# Altium PCB duo_x.PcbDoc (part 1 of 3) (continued)
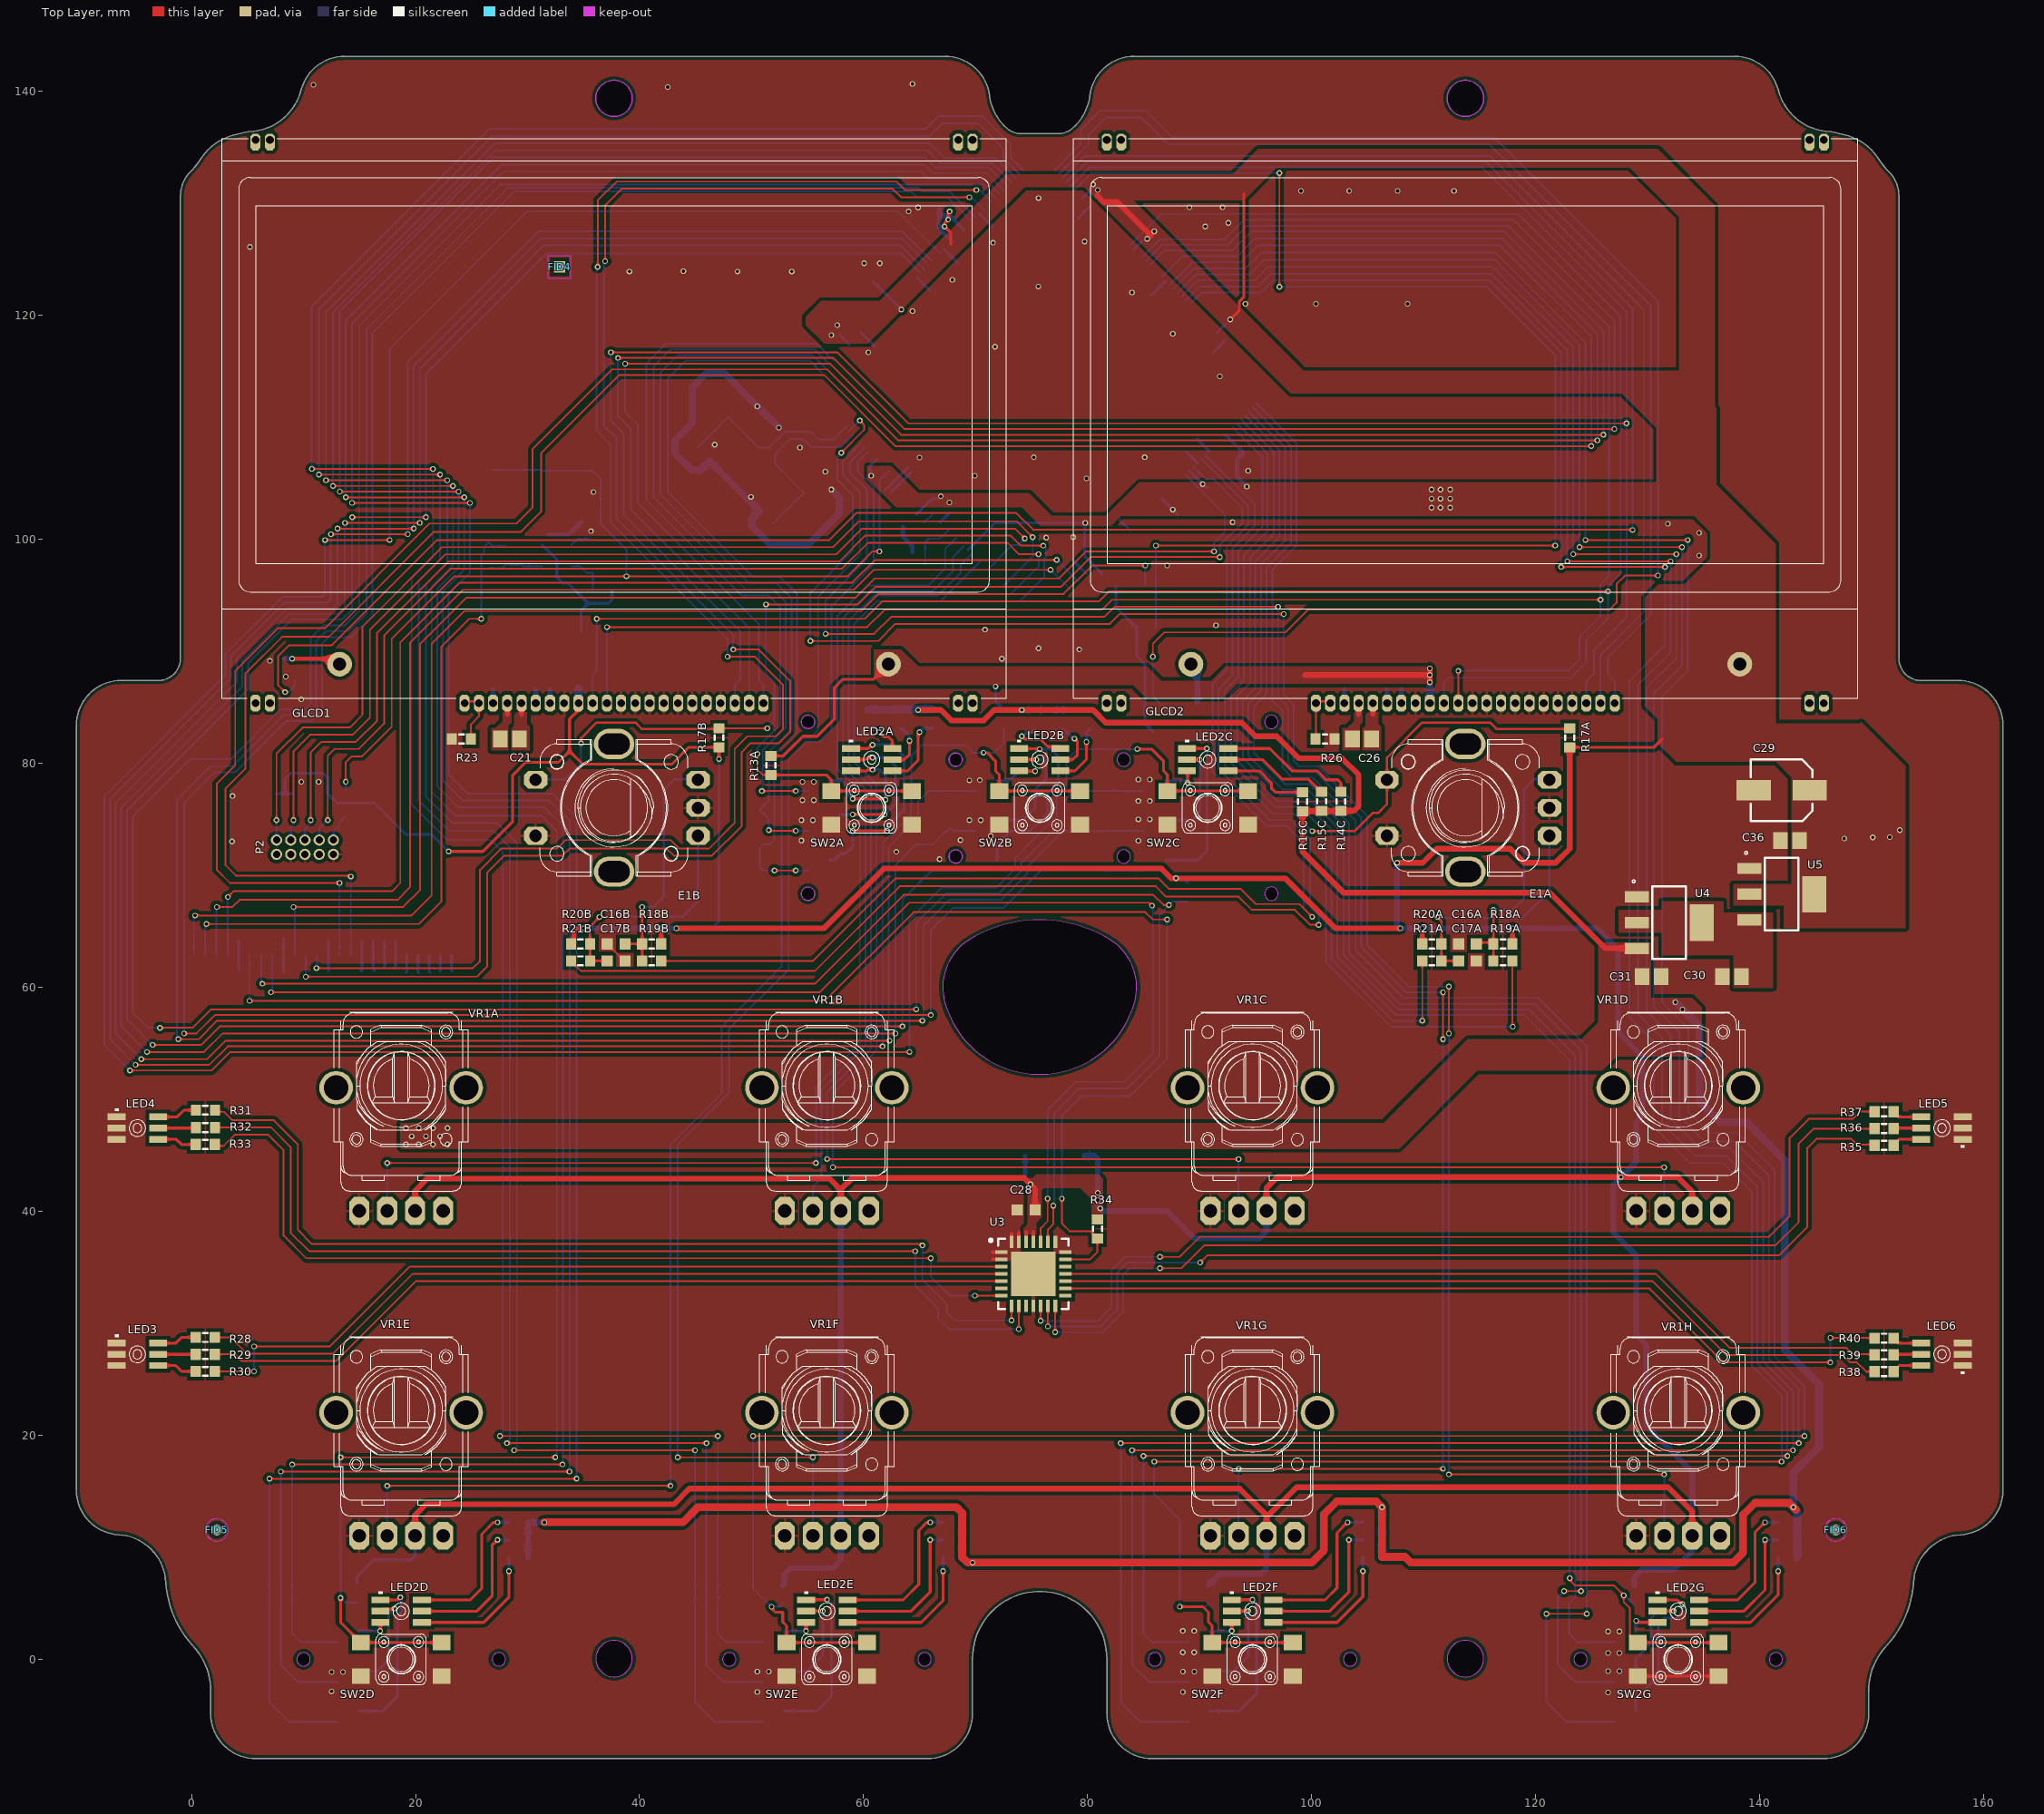
[diagram p0: Top Layer view]
## Footprints (in the part's own frame and the unit in brackets; to place one, negate y for a bottom-side part, rotate by r counter-clockwise, add the part's x,y. Pads: shape width x height; smd on the part's side, far side on the other; paste and mask are expansions set on the pad) (continued)
  rect 1.5x0.6 smd: 1(-0.95,0.95) 2(-0.95,-0.95) 3(0.95,0)
  silkscreen extent -1.07,-1.5 0.7,1.92, body extent -1.25,-1.5 1.25,1.5, height 1.01
SOT23-5N [mm]
  rect 1x0.6 smd: 1(-1.3,0.95) 2(-1.3,0) 3(-1.3,-0.95) 4(1.3,-0.95) 5(1.3,0.95)
  silkscreen extent -1.5,-1.55 0.5,1.92, body extent -1.25,-1.5 1.25,1.5, height 1.06
SOT230P700X180-4N [mm]
  rect 2.15x1 smd: 1(-2.9,2.3) 2(-2.9,0) 3(-2.9,-2.3)
  rect 2.15x3.25 smd: 2(2.9,0)
  silkscreen extent -3.3,-3.25 1.5,3.81
SOT788-1 [mm]
  rect 1.1x0.35 smd paste-0.025: 1(-2.85,1.95) 2(-2.85,1.3) 3(-2.85,0.65) 4(-2.85,0) 5(-2.85,-0.65) 6(-2.85,-1.3) 7(-2.85,-1.95) 15(2.85,-1.95) 16(2.85,-1.3) 17(2.85,-0.65) 18(2.85,0) 19(2.85,0.65) 20(2.85,1.3) 21(2.85,1.95)
  rect 0.35x1.1 smd paste-0.025: 8(-1.95,-2.85) 9(-1.3,-2.85) 10(-0.65,-2.85) 11(0,-2.85) 12(0.65,-2.85) 13(1.3,-2.85) 14(1.95,-2.85) 22(1.95,2.85) 23(1.3,2.85) 24(0.65,2.85) 25(0,2.85) 26(-0.65,2.85) 27(-1.3,2.85) 28(-1.95,2.85)
  rect 4x4 smd paste-1000: 29(0,0)
  silkscreen extent -3.92,-3.15 3.15,3.15, body extent -3.02,-3.02 3.02,3.02, height 0.9
TL3305 [mm]
  rect 1.6x1.4 smd: 1(-3.6,-1.5) 2(3.6,-1.5) 3(-3.6,1.5) 4(3.6,1.5)
  silkscreen extent -2.25,-2.25 2.25,2.25, body extent -3.75,-2.25 3.75,2.25, height 3.8
TL3315 [mm]
  rect 1.1x0.7 smd: 1(-2.225,1.75) 2(2.225,1.75) 3(-2.225,-1.75) 4(2.225,-1.75)
  silkscreen extent -2.16,-1.78 2.16,1.78, body extent -2.37,-2.25 2.38,2.25, height 0.6
? [mm]
  oct 1.8x2.5 hole 1.2: 1(-3.75,0) 1(-3.75,0) 2(-1.25,0) 3(1.25,0) 4(3.75,0)
  round 3 hole 2.2: M(-5.8,11) M(5.8,11)
  silkscreen extent -6,1.79 6,17.79, body extent -7.2,-0.2 7.2,17.6, height 21.37

## Part data
C1 C7 C8 C9 C10 C11 C12 C13 C14 C32 C33 C34 C35: library part GRM155R71H104KE14D, "CAP CER 0.1UF 50V X7R 0402", Capacitance="0.1 uF", Capacitance - nF="100 nF", Capacitance - pF="100000 pF", Case Code - in=0402, Case Code - mm=1005, Dielectric=X7R, Manufacturer 1=Murata, Maximum Operating Temperature="+ 125 C", Minimum Operating Temperature="- 55 C", Package / Case="0402 (1005 metric)", Supplier Part Number 1=490-10700-1-ND, Tolerance="10 %", Voltage Rating DC="50 VDC", Brand="Murata Electronics", Class="Class 2", ComponentLink1Description=http://components.arrow.com/part/dataview/0323_07030614, ComponentLink1URL=http://components.arrow.com/part/dataview/0323_07030614, ComponentLink2Description=http://psearch.en.murata.com/capacitor/product/GRM155R71H104KE14%23.pdf, ComponentLink2URL=http://psearch.en.murata.com/capacitor/product/GRM155R71H104KE14%23.pdf, ComponentLink3Description=http://www.mouser.com/ds/2/281/c02e-2905.pdf, ComponentLink3URL=http://www.mouser.com/ds/2/281/c02e-2905.pdf, ComponentLink4Description=http://search.murata.co.jp/Ceramy/image/img/A01X/partnumbering_e_01.pdf, ComponentLink4URL=http://search.murata.co.jp/Ceramy/image/img/A01X/partnumbering_e_01.pdf, ComponentLink5Description=http://www.farnell.com/datasheets/2079156.pdf, ComponentLink5URL=http://www.farnell.com/datasheets/2079156.pdf, Description 1="Cap Ceramic 0.1uF 50V X7R 10% SMD 0402 125C Paper T/R", Factory Pack Quantity=10000, Height="0.5 mm", Length="1 mm", Manufacturer Part Number 1=GRM155R71H104KE14D, Packaging=Reel, Pricing 1="1=0.1, 10=0.022, 100=0.0099, 500=0.0071, 1000=0.0056, 2500=0.0051, 5000=0.0047 (USD)", Product="General Type MLCCs", Product Category="Multilayer Ceramic Capacitors MLCC - SMD/SMT", RoHS=True, Series=GRM, Stock 1=0, Supplier 1=Digi-Key, Termination Style=SMD/SMT, Type="General Purpose Ceramic Capacitors", Unit Weight="0.000212 oz", Width="0.5 mm"
C2 C3: library part C1608NP01H390J080AA, "CAP CER 39PF 50V NP0 0603", Case/Package=0603, Case Code (Metric)=1608, Dielectric=C0G, Manufacturer 1=TDK, Max Operating Temperature=150°C, Min Operating Temperature=-55°C, Package Quantity=4000, Supplier Part Number 1=445-14077-1-ND, Tolerance=5%, Voltage Rating=50V, Capacitance=39pF, Case Code (Imperial)=0603, Height=0.8mm, Length=0.063inch, Manufacturer Part Number 1=C1608NP01H390J080AA, Mount="Surface Mount", Packaging="Tape and Reel", Pricing 1="1=0.15, 10=0.106, 100=0.05, 500=0.03508, 1000=0.02904 (USD)", Stock 1=1503, Supplier 1=Digi-Key, Termination=SMD/SMT, Thickness=0.035inch, Voltage Rating (DC)=50V, Weight=7.1E-05oz, Width=0.031inch
C4 C6 C19 C24 C28: library part CC0603KRX7R8BB104, "CAP CER 0.1UF 25V X7R 0603", Capacitance=100nF, Case/Package=0603, Case Code (Metric)=1608, Dielectric=X7R, Manufacturer 1=Yageo, Max Operating Temperature=125°C, Min Operating Temperature=-55°C, Package Quantity=1, Supplier Part Number 1=311-1341-1-ND, Tolerance=10%, Voltage=25V, Case Code (Imperial)=0603, ComponentLink1Description=https://datasheet.ciiva.com/11786/0900766b80c10176-11786120.pdf, ComponentLink1URL=https://datasheet.ciiva.com/11786/0900766b80c10176-11786120.pdf, ComponentLink2Description=https://datasheet.ciiva.com/144/mlccorderingcode-144075.pdf, ComponentLink2URL=https://datasheet.ciiva.com/144/mlccorderingcode-144075.pdf, ComponentLink3Description=https://datasheet.ciiva.com/17434/upy-gphc-x7r-6-3v-to-50v-8-17434263.pdf, ComponentLink3URL=https://datasheet.ciiva.com/17434/upy-gphc-x7r-6-3v-to-50v-8-17434263.pdf, ComponentLink4Description=https://datasheet.ciiva.com/26829/getdatasheetpartid-403577-26829431.pdf, ComponentLink4URL=https://datasheet.ciiva.com/26829/getdatasheetpartid-403577-26829431.pdf, ComponentLink5Description=https://datasheet.ciiva.com/11587/upy-gphc-x7r-6-3v-to-50v-8-11587208.pdf, ComponentLink5URL=https://datasheet.ciiva.com/11587/upy-gphc-x7r-6-3v-to-50v-8-11587208.pdf, ComponentLink6Description=https://datasheet.ciiva.com/13389/upy-gphc-x7r-6-3v-to-50v-8-13389352.pdf, ComponentLink6URL=https://datasheet.ciiva.com/13389/upy-gphc-x7r-6-3v-to-50v-8-13389352.pdf, ComponentLink7Description=https://datasheet.ciiva.com/28450/1489800-28450584.pdf, ComponentLink7URL=https://datasheet.ciiva.com/28450/1489800-28450584.pdf, ComponentLink8Description=https://datasheet.ciiva.com/144/mlccorderingcode-144073.pdf, ComponentLink8URL=https://datasheet.ciiva.com/144/mlccorderingcode-144073.pdf, ComponentLink9Description=https://datasheet.ciiva.com/144/mlccorderingcode-144074.pdf, ComponentLink9URL=https://datasheet.ciiva.com/144/mlccorderingcode-144074.pdf, ComponentLink10Description=https://datasheet.ciiva.com/7978/1489800-7978155.pdf, ComponentLink10URL=https://datasheet.ciiva.com/7978/1489800-7978155.pdf, Composition=Ceramic, Depth=0.8mm, Halogen Free="Halogen Free", Height=0.8mm, Lead Free="Lead Free", Length=1.6mm, Manufacturer Part Number 1=CC0603KRX7R8BB104, Mount="Surface Mount", Number of Pins=2, Packaging="Tape and Reel", Pricing 1="1=0.1, 10=0.074, 100=0.0329, 500=0.02352, 1000=0.01848 (USD)", Radiation Hardening=No, REACH SVHC=Unknown, Stock 1=40000, Supplier 1=Digi-Key, Termination=SMD/SMT, Thickness=0.035inch, Voltage Rating=25V, Voltage Rating (DC)=25V, Width=0.8mm
C5 C15 C18 C23: library part GRM188R61A106KE69D, "CAP CER 10UF 10V X5R 0603", Case/Package=0603, Case Code (Metric)=1608, Dielectric=X5R, Manufacturer 1=Murata, Max Operating Temperature=85°C, Min Operating Temperature=-55°C, Supplier Part Number 1=490-10474-1-ND, Tolerance=10%, Voltage=10V, Capacitance=10uF, Case Code (Imperial)=0603, Depth=0.8mm, Height=0.8mm, Lead Free="Lead Free", Length=1.6mm, Manufacturer Part Number 1=GRM188R61A106KE69D, Mount="Surface Mount", Packaging="Tape and Reel", Pricing 1="1=0.22, 10=0.149, 100=0.0754, 500=0.05158, 1000=0.04563 (USD)", REACH SVHC="No SVHC", Stock 1=40000, Supplier 1=Digi-Key, Thickness=0.037inch, Voltage Rating=10V, Voltage Rating (DC)=10V, Width=0.031inch
C16A C16B C17A C17B: library part 06035C-103KAT2A, "CAP CER 10000PF 50V X7R 0603", Capacitance=10nF, Case/Package=0603, Case Code (Metric)=1608, Dielectric=X7R, Dielectric Material=Ceramic, Insulation Resistance=100GR, Manufacturer 1="Kyocera AVX", Max Operating Temperature=125°C, Min Operating Temperature=-55°C, Package Quantity=1, Supplier Part Number 1=478-1227-1-ND, Tolerance=10%, Voltage=50V, Case Code (Imperial)=0603, ComponentLink1Description=https://datasheet.ciiva.com/1124/1679506-1124848.pdf, ComponentLink1URL=https://datasheet.ciiva.com/1124/1679506-1124848.pdf, ComponentLink2Description=https://datasheet.ciiva.com/2987/cx7r-2987824.pdf, ComponentLink2URL=https://datasheet.ciiva.com/2987/cx7r-2987824.pdf, ComponentLink3Description=https://datasheet.ciiva.com/150/cx7r-150227.pdf, ComponentLink3URL=https://datasheet.ciiva.com/150/cx7r-150227.pdf, ComponentLink4Description=https://datasheet.ciiva.com/150/cx7r-150228.pdf, ComponentLink4URL=https://datasheet.ciiva.com/150/cx7r-150228.pdf, ComponentLink5Description=https://datasheet.ciiva.com/150/cx7r-150229.pdf, ComponentLink5URL=https://datasheet.ciiva.com/150/cx7r-150229.pdf, ComponentLink6Description=https://datasheet.ciiva.com/16209/cx7r-16209238.pdf, ComponentLink6URL=https://datasheet.ciiva.com/16209/cx7r-16209238.pdf, ComponentLink7Description=https://datasheet.ciiva.com/15212/getdatasheetpartid-87506-15212295.pdf, ComponentLink7URL=https://datasheet.ciiva.com/15212/getdatasheetpartid-87506-15212295.pdf, ComponentLink8Description=https://datasheet.ciiva.com/5423/cx7r-218113-5423178.pdf, ComponentLink8URL=https://datasheet.ciiva.com/5423/cx7r-218113-5423178.pdf, ComponentLink9Description=https://datasheet.ciiva.com/7855/1679506-7855082.pdf, ComponentLink9URL=https://datasheet.ciiva.com/7855/1679506-7855082.pdf, ComponentLink10Description=https://datasheet.ciiva.com/14585/70001075-14585146.pdf, ComponentLink10URL=https://datasheet.ciiva.com/14585/70001075-14585146.pdf, ComponentLink11Description=https://datasheet.ciiva.com/25901/cx7r-25901100.pdf, ComponentLink11URL=https://datasheet.ciiva.com/25901/cx7r-25901100.pdf, ComponentLink12Description=https://datasheet.ciiva.com/1124/1679506-1124847.pdf, ComponentLink12URL=https://datasheet.ciiva.com/1124/1679506-1124847.pdf, ComponentLink13Description=https://datasheet.ciiva.com/2987/cx7r-2987823.pdf, ComponentLink13URL=https://datasheet.ciiva.com/2987/cx7r-2987823.pdf, Contact Plating=Tin,Matte, Depth=0.81mm, Dissipation Factor=2.5%, Height=0.9mm, Lead Free="Lead Free", Length=1.6mm, Manufacturer Part Number 1=06035C-103KAT2A, Mount="Surface Mount,PCB", Number of Pins=2, Packaging="Tape and Reel", Pricing 1="1=0.1, 10=0.075, 100=0.0334, 500=0.02388, 1000=0.01877 (USD)", Radiation Hardening=No, REACH SVHC="No SVHC", Stock 1=40000, Supplier 1=Digi-Key, Termination=SMD/SMT, Thickness=0.035inch, Voltage Rating=50V, Voltage Rating (DC)=50V, Width=0.032inch
C20 C25: library part C0805C334K5RACAUTO, "CAP CER 0.33UF 50V X7R 0805", Capacitance="0.33 uF", Capacitance - nF="330 nF", Capacitance - pF="330000 pF", Case Code - in=0805, Case Code - mm=2012, Case Height="0.9 mm", Case Length="2 mm", Case Width="1.2 mm", Dielectric=X7R, Manufacturer 1=Kemet, Manufacturer 2=Samsung, Manufacturer Part Number 2=CL21B334KAFNNNE, Maximum Operating Temperature="+ 125 C", Minimum Operating Temperature="- 55 C", Operating Temperature Range="- 55 C to + 125 C", Package / Case="0805 (2012 metric)", Supplier Part Number 1=399-6959-1-ND, Temperature Coefficient / Code="+/- 15 %", Tolerance="10 %", Voltage Rating="50 V", Brand=Kemet, Class="Class 1", ComponentLink1Description=https://datasheet.ciiva.com/7842/1776105-7842326.pdf, ComponentLink1URL=https://datasheet.ciiva.com/7842/1776105-7842326.pdf, ComponentLink2Description=https://datasheet.ciiva.com/22705/1776105-22705463.pdf, ComponentLink2URL=https://datasheet.ciiva.com/22705/1776105-22705463.pdf, Description 1="Multilayer Ceramic Capacitors MLCC - SMD/SMT 0.33uF 50volts 10% X7R", Dimensions="1.2 mm W x 2 mm L x 0.9 mm H", Factory Pack Quantity=4000, Manufacturer Part Number 1=C0805C334K5RACAUTO, Packaging=Reel, Pricing 1="1=0.21, 10=0.142, 100=0.0721, 500=0.0493, 1000=0.0436 (USD)", Product="Automotive MLCCs", Product Category="Multilayer Ceramic Capacitors MLCC - SMD/SMT", RoHS=Details, Series=C0805C, Stock 1=76, Supplier 1=Digi-Key, Supplier 2=Digi-Key, Supplier Part Number 2=1276-1808-1-ND, Termination Style=SMD/SMT, Type="SMD MLCC X7R 6.3 - 250 VDC Commerical Grade", Voltage Rating DC="50 V"
C21 C22 C26 C27: library part C2012X7R1C225K125AB, "CAP CER 2.2UF 16V X7R 0805", Case/Package=0805, Case Code (Metric)=2012, Dielectric=X7R, Dielectric Material=Ceramic, Manufacturer 1=TDK, Max Operating Temperature=125°C, Min Operating Temperature=-55°C, Package Quantity=2000, Supplier Part Number 1=445-1420-1-ND, Tolerance=10%, Voltage=16V, Capacitance=2.2uF, Case Code (Imperial)=0805, ComponentLink1Description=https://datasheet.ciiva.com/24219/c2012x7r1c225k125ab-265065-24219730.pdf, ComponentLink1URL=https://datasheet.ciiva.com/24219/c2012x7r1c225k125ab-265065-24219730.pdf, ComponentLink2Description=https://datasheet.ciiva.com/11788/0900766b80c1bb00-11788135.pdf, ComponentLink2URL=https://datasheet.ciiva.com/11788/0900766b80c1bb00-11788135.pdf, ComponentLink3Description=https://datasheet.ciiva.com/26834/getdatasheetpartid-736487-26834421.pdf, ComponentLink3URL=https://datasheet.ciiva.com/26834/getdatasheetpartid-736487-26834421.pdf, ComponentLink4Description=https://datasheet.ciiva.com/16482/e412-c-16482422.pdf, ComponentLink4URL=https://datasheet.ciiva.com/16482/e412-c-16482422.pdf, ComponentLink5Description=https://datasheet.ciiva.com/6291/tdkmlcccaprange-6291383.pdf, ComponentLink5URL=https://datasheet.ciiva.com/6291/tdkmlcccaprange-6291383.pdf, ComponentLink6Description=https://datasheet.ciiva.com/6291/tdkmlcccaprange-6291384.pdf, ComponentLink6URL=https://datasheet.ciiva.com/6291/tdkmlcccaprange-6291384.pdf, ComponentLink7Description=https://datasheet.ciiva.com/22648/1796654-22648712.pdf, ComponentLink7URL=https://datasheet.ciiva.com/22648/1796654-22648712.pdf, ComponentLink8Description=https://datasheet.ciiva.com/6291/tdkmlcccaprange-6291450.pdf, ComponentLink8URL=https://datasheet.ciiva.com/6291/tdkmlcccaprange-6291450.pdf, ComponentLink9Description=https://datasheet.ciiva.com/22694/1796654-22694143.pdf, ComponentLink9URL=https://datasheet.ciiva.com/22694/1796654-22694143.pdf, Composition=Ceramic, Depth=1.25mm, Height=1.25mm, Lead Free="Lead Free", Length=2mm, Manufacturer Part Number 1=C2012X7R1C225K125AB, Mount="Surface Mount", Number of Pins=2, Packaging="Tape and Reel", Pricing 1="1=0.28, 10=0.194, 100=0.0983, 500=0.06728, 1000=0.05951 (USD)", Radiation Hardening=No, REACH SVHC="No SVHC", Stock 1=20000, Supplier 1=Digi-Key, Termination=SMD/SMT, Thickness=0.057inch, Voltage Rating=16V, Voltage Rating (DC)=16V, Weight=0.000194oz, Width=1.25mm
C29: library part EEE-1AA101WR, "CAP ALUM 100UF 20% 10V SMD", Case/Package=Radial, Manufacturer 1="Panasonic ECG", Max Operating Temperature=85°C, Min Operating Temperature=-40°C, Package Quantity=1, Ripple Current=50mA, Supplier Part Number 1=PCE3867CT-ND, Tolerance=20%, Voltage Rating=10V, Capacitance=100uF, ComponentLink1Description=https://datasheet.ciiva.com/26945/getdatasheetpartid-169213-26945071.pdf, ComponentLink1URL=https://datasheet.ciiva.com/26945/getdatasheetpartid-169213-26945071.pdf, ComponentLink2Description=https://datasheet.ciiva.com/2983/aba0000ce2-2983906.pdf, ComponentLink2URL=https://datasheet.ciiva.com/2983/aba0000ce2-2983906.pdf, ComponentLink3Description=https://datasheet.ciiva.com/24027/aba0000ce2-40801-24027541.pdf, ComponentLink3URL=https://datasheet.ciiva.com/24027/aba0000ce2-40801-24027541.pdf, ComponentLink4Description=https://datasheet.ciiva.com/30075/11aba0000ce2-30075303.pdf, ComponentLink4URL=https://datasheet.ciiva.com/30075/11aba0000ce2-30075303.pdf, ComponentLink5Description=https://datasheet.ciiva.com/16427/aba0000ce2-16427544.pdf, ComponentLink5URL=https://datasheet.ciiva.com/16427/aba0000ce2-16427544.pdf, ComponentLink6Description=https://datasheet.ciiva.com/14598/70255710-14598233.pdf, ComponentLink6URL=https://datasheet.ciiva.com/14598/70255710-14598233.pdf, ComponentLink7Description=https://datasheet.ciiva.com/14605/70255710-14605689.pdf, ComponentLink7URL=https://datasheet.ciiva.com/14605/70255710-14605689.pdf, ComponentLink8Description=https://datasheet.ciiva.com/11673/aba0000ce2-11673882.pdf, ComponentLink8URL=https://datasheet.ciiva.com/11673/aba0000ce2-11673882.pdf, Contact Plating=Tin, Description 1="Cap Aluminum Lytic 100uF 10V 20% (5 X 5.4mm) SMD 50mA 1000h 85C Automotive T/R", Diameter=5mm, Height=5.4mm, Height - Seated (Max)=0.213inch, Lead Free="Lead Free", Length=5.5mm, Life (Hours)=1000Hour, Manufacturer Part Number 1=EEE-1AA101WR, Mount="Surface Mount,PCB", Packaging="Tape and Reel", Pricing 1="1=0.31, 10=0.212, 100=0.1272, 500=0.0954 (USD)", Radiation Hardening=No, REACH SVHC=Unknown, Ripple Current (AC)=50mA, Stock 1=122621, Supplier 1=Digi-Key, Termination=SMD/SMT, Voltage Rating (DC)=10V
C30 C36: library part JMK212BJ226MG-T, "CAP CER 22UF 6.3V X5R 0805", Capacitance=22µF, Manufacturer 1="Taiyo Yuden", Operating Temperature="-55°C ~ 85°C", Package / Case="0805 (2012 Metric)", PCN Part Number="X5R, X7R Dielectrics 23/Jan/2008", Ratings=-, Standard Package=1, Supplier Part Number 1=587-1305-1-ND, Temperature Coefficient=X5R, Tolerance=±20%, Voltage - Rated=6.3V, Applications="General Purpose", Catalog Drawings="xMK Series_0805_1.25", Category=Capacitors, ComponentLink1Description=https://datasheet.ciiva.com/26872/getdatasheetpartid-637391-26872056.pdf, ComponentLink1URL=https://datasheet.ciiva.com/26872/getdatasheetpartid-637391-26872056.pdf, ComponentLink2Description=https://datasheet.ciiva.com/15921/279jmk212abj226mg-t-15921060.pdf, ComponentLink2URL=https://datasheet.ciiva.com/15921/279jmk212abj226mg-t-15921060.pdf, ComponentLink3Description=https://datasheet.ciiva.com/30094/218jmk212abj226mg-t-30094177.pdf, ComponentLink3URL=https://datasheet.ciiva.com/30094/218jmk212abj226mg-t-30094177.pdf, ComponentLink4Description=https://datasheet.ciiva.com/5424/mlcc-all-e-541559-5424395.pdf, ComponentLink4URL=https://datasheet.ciiva.com/5424/mlcc-all-e-541559-5424395.pdf, ComponentLink5Description=https://datasheet.ciiva.com/137/mlcc-all-e-137394.pdf, ComponentLink5URL=https://datasheet.ciiva.com/137/mlcc-all-e-137394.pdf, ComponentLink6Description=https://datasheet.ciiva.com/137/mlcc-all-e-137395.pdf, ComponentLink6URL=https://datasheet.ciiva.com/137/mlcc-all-e-137395.pdf, ComponentLink7Description=https://datasheet.ciiva.com/137/mlcc-all-e-137396.pdf, ComponentLink7URL=https://datasheet.ciiva.com/137/mlcc-all-e-137396.pdf, Description 1="CAP CER 22UF 6.3V X5R 0805", Family="Ceramic Capacitors", Features=-, Height - Seated (Max)=-, Kits="587-1797-KIT-ND  - KIT CAP CER HI CAP 0603 & 0805 S", Lead Spacing=-, Lead Style=-, Manufacturer Part Number 1=JMK212BJ226MG-T, Mounting Type="Surface Mount, MLCC", Online Catalog="M Series", Other Names=587-1305-1, Packaging="Cut Tape (CT)", Pricing 1="1=0.26, 10=0.18, 100=0.1021, 500=0.0721, 1000=0.0631 (USD)", Series=M, Size / Dimension="0.079\" L x 0.049\" W (2.00mm x 1.25mm)", Stock 1=877962, Supplier 1=Digi-Key, Thickness (Max)="0.053\" (1.35mm)"
C31: library part GRM21BR61E106KA73L, "CAP CER 10UF 25V X5R 0805", Capacitance=10µF, Manufacturer 1=Murata, Operating Temperature="-55°C ~ 85°C", Package / Case="0805 (2012 Metric)", Ratings=-, Standard Package=1, Supplier Part Number 1=490-5523-1-ND, Temperature Coefficient=X5R, Tolerance=±10%, Voltage - Rated=25V, Applications="General Purpose", Catalog Drawings="GRM Series_0805_1.25", Category=Capacitors, ComponentLink1Description=https://datasheet.ciiva.com/16440/grm21br61e106ka73l-16440627.pdf, ComponentLink1URL=https://datasheet.ciiva.com/16440/grm21br61e106ka73l-16440627.pdf, ComponentLink2Description=https://datasheet.ciiva.com/5424/product-5424327.pdf, ComponentLink2URL=https://datasheet.ciiva.com/5424/product-5424327.pdf, ComponentLink3Description=https://datasheet.ciiva.com/22774/1747469-22774396.pdf, ComponentLink3URL=https://datasheet.ciiva.com/22774/1747469-22774396.pdf, ComponentLink4Description=https://datasheet.ciiva.com/28584/626718-28584288.pdf, ComponentLink4URL=https://datasheet.ciiva.com/28584/626718-28584288.pdf, ComponentLink5Description=https://datasheet.ciiva.com/29199/454623-da-01-en-vs-kondensator-0805-29199615.pdf, ComponentLink5URL=https://datasheet.ciiva.com/29199/454623-da-01-en-vs-kondensator-0805-29199615.pdf, ComponentLink6Description=https://datasheet.ciiva.com/139/partnumbering-e-01-139184.pdf, ComponentLink6URL=https://datasheet.ciiva.com/139/partnumbering-e-01-139184.pdf, ComponentLink7Description=https://datasheet.ciiva.com/139/partnumbering-e-01-139182.pdf, ComponentLink7URL=https://datasheet.ciiva.com/139/partnumbering-e-01-139182.pdf, ComponentLink8Description=https://datasheet.ciiva.com/139/partnumbering-e-01-139183.pdf, ComponentLink8URL=https://datasheet.ciiva.com/139/partnumbering-e-01-139183.pdf, ComponentLink9Description=https://datasheet.ciiva.com/7719/1747469-7719093.pdf, ComponentLink9URL=https://datasheet.ciiva.com/7719/1747469-7719093.pdf, ComponentLink10Description=https://datasheet.ciiva.com/28584/626718-28584279.pdf, ComponentLink10URL=https://datasheet.ciiva.com/28584/626718-28584279.pdf, ComponentLink11Description=https://datasheet.ciiva.com/14116/grmseries-highdielectrictype-eng-14116376.pdf, ComponentLink11URL=https://datasheet.ciiva.com/14116/grmseries-highdielectrictype-eng-14116376.pdf, Description 1="CAP CER 10UF 25V X5R 0805", Family="Ceramic Capacitors", Features=-, Height - Seated (Max)=-, Lead Spacing=-, Lead Style=-, Manufacturer Part Number 1=GRM21BR61E106KA73L, Mounting Type="Surface Mount, MLCC", Online Catalog="GRM Series", Other Names=490-5523-6, Packaging=Digi-Reel®, Pricing 1="1=0.22, 10=0.159, 100=0.0748, 500=0.0524, 1000=0.0434 (USD)", Product Training Modules="High-Cap Multilayer Ceramic Capacitors", Series=GRM, Size / Dimension="0.079\" L x 0.049\" W (2.00mm x 1.25mm)", Stock 1=1948894, Supplier 1=Digi-Key, Thickness (Max)="0.053\" (1.35mm)"
D1 D2 D3: library part 1N4148WS-7-F, "DIODE SWITCHING 75V 0.15A SOD323", Average Rectified Current=150mA, Capacitance=2pF, Current=2A, Forward Current=300mA, Forward Voltage=1.25V, Manufacturer 1=Diodes, Max Operating Temperature=150°C, Max Repetitive Reverse Voltage (Vrrm)=75V, Min Operating Temperature=-65°C, Package Quantity=3000, Peak Reverse Current=1uA, Power Dissipation=200mW, Supplier Part Number 1=1N4148WS-FDICT-ND, ComponentLink1Description=https://datasheet.ciiva.com/16199/ds30097-16199061.pdf, ComponentLink1URL=https://datasheet.ciiva.com/16199/ds30097-16199061.pdf, ComponentLink2Description=https://datasheet.ciiva.com/16472/ds30097-16472599.pdf, ComponentLink2URL=https://datasheet.ciiva.com/16472/ds30097-16472599.pdf, ComponentLink3Description=https://datasheet.ciiva.com/1179/ds30097-1179355.pdf, ComponentLink3URL=https://datasheet.ciiva.com/1179/ds30097-1179355.pdf, ComponentLink4Description=https://datasheet.ciiva.com/8300/ds30097-8300396.pdf, ComponentLink4URL=https://datasheet.ciiva.com/8300/ds30097-8300396.pdf, ComponentLink5Description=https://datasheet.ciiva.com/911/ds30097-911741.pdf, ComponentLink5URL=https://datasheet.ciiva.com/911/ds30097-911741.pdf, ComponentLink6Description=https://datasheet.ciiva.com/911/ds30097-911742.pdf, ComponentLink6URL=https://datasheet.ciiva.com/911/ds30097-911742.pdf, ComponentLink7Description=https://datasheet.ciiva.com/25946/ds30097-25946926.pdf, ComponentLink7URL=https://datasheet.ciiva.com/25946/ds30097-25946926.pdf, ComponentLink8Description=https://datasheet.ciiva.com/911/ds30097-911743.pdf, ComponentLink8URL=https://datasheet.ciiva.com/911/ds30097-911743.pdf, Contact Plating=Tin,Matte, Current Rating=150mA, Element Configuration=Single, Height=1mm, Lead Free="Lead Free", Length=1.8mm, Manufacturer Part Number 1=1N4148WS-7-F, Max Forward Surge Current (Ifsm)=2A, Max Reverse Voltage (DC)=75V, Max Surge Current=2A, Mount="Surface Mount", Number of Pins=2, Output Current=150mA, Packaging="Tape and Reel", Peak Non-Repetitive Surge Current=2A, Polarity=Standard, Power Rating=200mW, Pricing 1="1=0.19, 10=0.171, 100=0.0932, 500=0.05736, 1000=0.03911 (USD)", Radiation Hardening=No, REACH SVHC="No SVHC", Recovery Time=4ns, Reverse Recovery Time=4ns, Stock 1=557451, Supplier 1=Digi-Key, Voltage=75V, Voltage Rating (DC)=75V, Weight=0.000173oz, Width=1.4mm
E1A E1B: library part PEC11R-4215F-S0024, "ENCODER ROTARY 15MM SHAFT", Manufacturer 1=Bourns, Max Operating Temperature=70°C, Min Operating Temperature=-30°C, Package Quantity=150, Supplier Part Number 1=PEC11R-4215F-S0024-ND, Built in Switch=Yes, ComponentLink1Description=https://datasheet.ciiva.com/26917/getdatasheetpartid-730131-26917851.pdf, ComponentLink1URL=https://datasheet.ciiva.com/26917/getdatasheetpartid-730131-26917851.pdf, ComponentLink2Description=https://datasheet.ciiva.com/12175/pec11r-221203-12175422.pdf, ComponentLink2URL=https://datasheet.ciiva.com/12175/pec11r-221203-12175422.pdf, Detent=Yes, Encoder Type=Mechanical, Height=13.4mm, Hole Diameter=1.8mm, Length=21.5mm, Manufacturer Part Number 1=PEC11R-4215F-S0024, Mount="Through Hole,Panel,PCB", Number of Channels=2, Orientation=Vertical, Output Type=Quadrature,Incremental, Packaging=Bulk, Pricing 1="1=1.68, 10=1.566, 25=1.4792, 50=1.305, 150=1.073, 300=1.044, 600=0.986, 1050=0.928, 5100=0.812 (USD)", Pulses per Revolution=24, Radiation Hardening=No, REACH SVHC="No SVHC", Stock 1=2746, Supplier 1=Digi-Key, Termination="PC Pins", Type=Mechanical, Width=12.5mm
FID1 FID4: library part FID_RECT_1MM, "FIDUCIAL RECTANGLE 1MM-2MM"
FID2 FID3 FID5 FID6: library part FID_ROUND_1MM, "FIDUCIAL ROUND 1MM-2MM"
GLCD1 GLCD2: library part ERC12864FS-655, "SERIAL SPI 2.8\"GLCD 128x64 UC1701 CONTROLLER", Manufacturer 1=EastRising, Manufacturer Part Number 1=ERC12864FS-655, Supplier 1=EastRising, Supplier Part Number 1=ERC12864FS-655
L1: library part 742792651, "FERRITE BEAD 600 OHM 1.0A 0603", Case/Package=SMD/SMT, Case Code (Imperial)=0603, Case Code (Metric)=1608, Current Rating=1A, DC Resistance (DCR)=200mR, Inductance=0.36h, Manufacturer 1="Wurth Electronics", Max Operating Temperature=125°C, Min Operating Temperature=-55°C, Package Quantity=1, Supplier Part Number 1=732-1593-6-ND, Test Frequency=100MHz, Tolerance=25%, ComponentLink1Description=https://datasheet.ciiva.com/11803/0900766b80d2e079-11803680.pdf, ComponentLink1URL=https://datasheet.ciiva.com/11803/0900766b80d2e079-11803680.pdf, ComponentLink2Description=https://datasheet.ciiva.com/1475/1705833-1475349.pdf, ComponentLink2URL=https://datasheet.ciiva.com/1475/1705833-1475349.pdf, ComponentLink3Description=https://datasheet.ciiva.com/1013/742792651-1013527.pdf, ComponentLink3URL=https://datasheet.ciiva.com/1013/742792651-1013527.pdf, ComponentLink4Description=https://datasheet.ciiva.com/4940/742792651-72243-4940492.pdf, ComponentLink4URL=https://datasheet.ciiva.com/4940/742792651-72243-4940492.pdf, ComponentLink5Description=https://datasheet.ciiva.com/1013/742792651-1013528.pdf, ComponentLink5URL=https://datasheet.ciiva.com/1013/742792651-1013528.pdf, ComponentLink6Description=https://datasheet.ciiva.com/1013/742792651-1013529.pdf, ComponentLink6URL=https://datasheet.ciiva.com/1013/742792651-1013529.pdf, ComponentLink7Description=https://datasheet.ciiva.com/22711/1705833-22711420.pdf, ComponentLink7URL=https://datasheet.ciiva.com/22711/1705833-22711420.pdf, Core Material=Ferrite, Depth=0.8mm, Description 1="FERRITE BEAD 600 OHM 1.0A 0603", Height=0.8mm, Impedance=600R, Lead Free="Lead Free", Length=1.6mm, Manufacturer Part Number 1=742792651, Material=Ferrite, Max Current Rating=1A, Max DC Current=1A, Mount="Surface Mount", Number of Lines=1, Packaging="Tape and Reel", Pricing 1="1=0.17, 50=0.168, 100=0.155, 500=0.148, 1000=0.141, 2000=0.134 (USD)", REACH SVHC=Unknown, Resistance=200mR, Stock 1=281795, Supplier 1=Digi-Key, Termination=SMD/SMT, Weight=0.000141oz, Width=0.8mm
LED2A LED2B LED2C LED2D LED2E LED2F LED2G LED3 LED4 LED5 LED6: "LED RGB 6PLCC SMD", Manufacturer 1="American Bright", Supplier Part Number 1=BL-HJXGXBX32NCT-ND, Manufacturer Part Number 1=BL-HJXGXBX32N, Packaging="Cut Tape", Pricing 1="1=0.59000, 10=0.42700, 100=0.27880, 500=0.20040, 1000=0.15683 (USD)", RoHS=No, Stock 1=23855, Supplier 1=Digi-Key
P1: "FLEX CONNECTOR, 1.00MM PITCH, HE", Manufacturer 1="Amphenol ICC / FCI", Supplier Part Number 1=609-F51L-1A7H1-11024CT-ND, Category="FFC / FPC", Manufacturer Part Number 1=F51L-1A7H1-11024, Pricing 1="1=0.77000, 10=0.67500, 25=0.61680, 50=0.58060, 100=0.55640, 250=0.50804, 500=0.48384 (USD)", Stock 1=1646, Supplier 1=Digi-Key
P2: "Header, 5-Pin, Dual row, Right Angle", LatestRevisionDate=17-Jul-2002, LatestRevisionNote="Re-released for DXP Platform.", Publisher="Altium Limited"